# KiCad board Rogelio Pineda part 5.x3-AMLDC-2044B.kicad_pcb (continued)
## Routing (per net, layer and track width the routed paths; a pad name or vN(x,y) marks a point on that pad's centre or on a via; arc(x,y) is an arc through that point) (continued)
K2p11: length 131.9
  Top w0.15: UK2.11 197.03,259.25 197.17,258.57 197.48,256.56 197.48,247.47 197.51,247.43 v1(197.52,247.4) 196.83,246.06 195.97,243.26 195.53,239.47 195.56,235.3 194.78,232.81 194.46,232.01 193.56,230.36 UL2.12
  Bottom w0.15: 292.82,253.5 291.97,253.28 290.22,252.81 289.41,252.58 288.24,252.18 286.17,252.28 285.29,252.35 284.44,252.52 283.33,252.97 282.41,253.12 280.03,254.02 278.36,254.58 276.75,255.18 274.87,255.82 272.85,256.32 270.98,256.89 268.74,257.41 267.13,257.6 266.2,257.5 264.56,257.27 262.97,256.85 260.87,255.99 256.43,254.01 255.12,253.35 253.87,252.78 252.71,252.18 250.92,251.45 249.15,250.72 247.61,250.33 246.99,250.28 244.09,250.12 233.21,250.22 230.18,250.14 222.1,249.97 220.39,249.89 217.84,249.39 216.75,249.1 215.21,248.73 214.22,248.74 213.33,248.76 209.39,248.81 209.19,248.81 205.52,248.66 204.61,248.58 202.75,248.35 202.16,248.24 200.47,248.03 199.13,247.71 v1(197.52,247.4)
K5p1: length 19.8
  Top w0.15: UL5.4 305.35,221.94 305.05,222.41 304.4,223.1 304.15,223.49 303.71,224.11 303.38,224.55 302.72,225.88 302.61,227.51 302.61,227.82 302.54,231.16 302.45,231.99 302.32,232.74 302.06,233.3 301.87,233.69 301.67,234.12 300.82,235.33 300.18,236.06 299.94,236.41 299.44,237 299.05,237.49 298.83,238 UK5.1
K5p3: length 19.9
  Top w0.15: UK5.3 303.87,237.59 304.33,237.03 304.88,236.5 305.97,235.36 306.36,235.01 307.2,234.25 307.59,233.86 308.28,233.18 308.99,232.16 309.3,231.6 309.55,230.93 309.79,230.09 309.99,229.09 310.08,226.94 310.08,226.16 310.13,225.1 310.15,224.27 310.55,222.85 310.77,222.01 UL5.6
K5p5: length 18.8
  Top w0.15: UK5.5 308.93,237.27 309.17,236.59 309.4,236.26 309.73,235.8 310.2,235.14 310.92,234.07 311.13,233.68 311.49,233.22 311.91,232.47 312.06,231.93 312.36,231.08 312.44,227.92 312.38,226.28 312.36,226.3 v1(312.36,226.25) 312.41,226.25 312.45,226.21 312.27,225.66 312.24,225.09 312.48,224.44 312.85,222.94 313.34,221.94 UL5.7
K5p13: length 27.2
  Top w0.15: UK5.13 301.48,245.12 301.92,244.01 302.26,242.44 302.32,241.76 302.27,238.77 302.52,236.28 303.35,234.86 303.9,233.8 304.82,231.69 305.14,226.13 305.35,225.02 305.53,224.37 306.14,223.79 307.2,222.9 307.84,222.37 308.25,221.86 UL5.5
K6p4: length 13.4
  Top w0.15: 347.03,240.85 v1(347.03,240.98) 347.03,241.55 347.2,242.3 347.51,243.53 348.16,245.09 348.74,247.01 349.09,248.27 349.56,249.85 349.76,250.18 350.02,251.35 350.43,252.47 UK6.4
K6p6: length 5.5
  Top w0.15: C49.2 354.49,249.74 354.84,250.51 355.15,251.19 355.47,252.56 355.39,253.26 UK6.6
K6p7: length 5.6
  Top w0.15: UK6.7 358.16,253.49 358.52,252.54 358.68,252.16 358.71,252.16 358.85,251.82 359.19,251.24 359.5,250.47 360.03,249.73 C49.1
K6p14: length 5.9
  Top w0.15: UK6.14 348.21,262.58 348.33,262.92 348.68,263.58 348.88,263.79 349.28,264.14 349.61,264.2 350.58,264.28 351.61,264.28 C50.1
K6p15: length 2.7
  Top w0.15: C50.2 345.67,263.86 UK6.15
K7p2: length 12.6
  Top w0.15: UK7.2 382.22,253.78 382.26,254.4 382.07,255.25 381.79,256.42 381.67,257.76 381.13,259.92 381.13,262.05 381.32,263.3 381.25,265.5 v1(381.06,265.69)
K7p9: length 33.1
  Top w0.15: UL7.8 393.93,235.63 393.65,239.89 393.45,242.9 393.28,244.6 393.34,247.2 393.37,248.68 393.49,250.43 393.54,256.58 393.34,258.35 393.25,259.13 392.79,260.04 UK7.9
K7p12: length 7.7
  Top w0.15: 390.77,256.86 390.76,256.88 v1(390.76,256.91) 390.72,256.91 390.43,257.21 389.84,257.54 389.35,257.61 388.87,257.94 387.88,258.19 387.08,258.74 386.27,259.13 384.76,260.29 UK7.12
K7p13: length 9.3
  Top w0.15: UK7.4 386.61,255.09 385.66,256.28 385.17,256.88 384.25,257.69 383.65,258.47 383.44,258.82 382.97,259.64 UK7.13
K8p1: length 54
  Top w0.15: UK8.1 416.31,252.14 416.49,251.14 416.55,250.26 416.83,247.81 417.02,246.5 417.29,245.07 417.74,242.46 418.12,241.21 418.48,239.87 418.73,238.74 419.08,237.53 419.89,234.27 420.4,231.82 420.82,230.55 421.16,228.58 421.75,226.71 422.3,224.58 422.83,222.9 423.23,221 423.4,220.11 423.55,219.38 424.47,216.25 424.56,215.47 424.75,214.8 424.71,214.81 424.96,213.99 425.33,212.99 425.2,212.5 UM8.12 425.82,210.72 426.35,209.7 427.04,209.17 427.51,208.96 428.42,208.52 429.07,208.41 430.2,208.32 431.48,208.86 432.28,209.96 UM8.9
K8p4: length 55.2
  Top w0.15: UK8.4 423.79,251.71 423.95,248.89 424.01,247.62 424.47,238.9 424.8,236.62 424.89,234.34 424.87,234.02 425.09,231.3 425.28,229.82 425.44,227.72 425.9,223.89 426.44,222.56 427.21,221 427.97,219.93 428.42,219.39 429.22,218.52 430.62,216.84 431.21,216.22 432.18,215.17 433.11,214.32 433.44,213.81 433.89,213.12 434.28,211.75 433.91,209.85 433.3,209 432.94,208.49 432.15,207.52 431.29,207.12 430.12,206.52 429.48,206.18 428.8,205.44 UM8.6
K8p13: length 5.3
  Top w0.15: UK8.13 418.45,259.75 418.3,259.17 418.11,258.28 417.96,257.85 417.51,256.64 417.23,256.12 417.23,256.12 v1(417.25,256.1) 417.23,256.08 417.23,255.94
L0p1: length 48.6
  Bottom w0.15: UL0.1 115.33,221.19 117.23,223.31 119.83,223.81 121.65,223.92 123.7,224.24 125.25,224.33 140.08,224.45 145,224.37 149.47,224.15 150.7,224.09 153.09,224.08 155.41,223.96 156.72,223.35 157.07,223.01 158.16,222.02 UL1.5 UL1.6
L0p3: length 171.3
  Top w0.15: v1(82.48,100.17) 83.06,100.17 83.69,99.95 84.34,99.77 85.72,99.31 86.54,99.09 86.35,99.08 87.69,98.96 89.08,99.4 89.78,99.94 90.72,100.97 90.35,104.21 90.24,104.82 90.03,106.48 89.94,107.61 89.8,109.93 89.96,112.04 90.22,115.21 90.41,117.73 90.56,119.31 90.36,120.55 89.74,121.29 88.93,121.56 v1(88.93,121.58)
  Top w0.25: UL0.3 119.13,215.9 119.18,209.54 119.89,207.66 120.24,205.97 120.3,205.9 UM0.3 119.34,202.42 115.89,200.43 113.8,198.18 UN0.13 113.75,193.68 114.38,191.29 114.25,189.12 114.25,184.12 114.41,181.89 114.28,180.25 114.36,165.92 114.36,164.44 114.91,163.64 UP0.3 114.44,158.03 114.52,148.87 114.57,147.22 UR0.3
  Bottom w0.15: UP0.3 116.48,164.06 117.12,165.08 118.24,166.1 119.53,166.51 120.72,166.68 122.93,166.54 123.7,166.54 126.66,166.01 127.32,165.92 128.66,165.66 130.96,165.57 133.45,165.36 133.88,165.3 JP8.1 ; v1(88.93,121.58) 90.01,122.3 92.33,126.14 94.39,128.87 95.35,130.09 97.37,132.11 97.64,132.36 98.48,133.12 102.07,136.82 102.55,137.32 103,137.65 106.87,141.36 108.42,142.12 109.71,142.24 112.16,142.23 113.5,142.38 114.32,142.5 114.86,142.78 115.33,143.22 UR0.3
L0p4: length 30.4
  Bottom w0.15: UL1.2 150.77,221.67 150.53,222.02 149.57,222.75 148.91,222.98 147.58,223.05 144.49,223.17 140.05,223.12 133.38,223.18 130.04,223.27 127.82,223.28 125.18,223.16 124.06,222.7 123.38,222.14 UL0.4
L0p6: length 147.5
  Top w0.15: v1(82.61,103.62) 82.84,103.39 84.59,103.48 85.06,103.58 85.34,103.77 85.29,103.72 86.07,103.89 87.14,104.6 87.51,105.02 87.51,105.09 87.9,105.56 88.21,106.17 88.32,106.85 88.56,107.47 88.76,108.86 88.81,113.17 88.88,114.36 88.74,116.86 88.82,118.22 88.96,118.91 v1(88.93,119.3)
  Top w0.25: UL0.6 127.71,218.98 126.74,215.31 126.8,209.48 126.96,208.67 127.26,207.24 127.92,205.6 UM0.6 127.41,202.25 122.41,197.81 122.18,197.51 121.87,196.71 121.58,190.7 120.82,188.92 UN0.5 121.69,183.65 121.99,180.62 121.88,165.49 122.45,164.11 UP0.6 122.41,158.89 121.8,156.12 121.83,156.09 121.83,149.05 122.14,147.26 UR0.6
  Bottom w0.15: 122.58,143.1 121.95,142.5 120.71,141.95 118.04,141.3 113.98,141.24 110.68,141.24 109.15,140.95 108.44,140.67 107.61,140.19 106.64,139.08 105.52,136.14 103.16,131.13 102.17,129.15 100.16,125.38 97.05,122.04 95.07,120.75 92.04,119.63 v1(88.93,119.3) ; 122.64,143.14 123.05,143.61 UR0.6
L0p9: length 166.2
  Top w0.15: UJ3.11 237.25,276.9 237.75,275.65 237.9,273.86 237.89,272.87 237.96,268.64 237.93,268.7 237.84,262.4 237.73,259.8 237.7,255.11 237.68,252.34 237.67,250.86 237.67,247.32 235.85,241.67 235.51,238.62 235.34,235.9 236.75,233.79 237.09,233.56 237.54,233.06 237.64,232.95 v1(237.74,232.95) 237.74,232.85 237.8,232.79
  Bottom w0.15: v1(237.74,232.95) 229.01,232.79 223.56,232.71 220.43,232.67 212.64,232.76 208.74,232.67 202.81,232.2 183.6,231.64 157.5,231.46 156.26,231.48 154.86,231.38 153.75,230.48 UL1.12 153.27,227.21 151.97,226.71 150.15,226.62 149.96,226.69 147.87,226.61 132.13,226.83 131.26,226.88 130,226.73 129.3,227.02 128.39,227.61 UL0.9 ; UJ3.9 241.43,278.1 240.55,278.58 240.08,278.1 UJ3.10 238.18,278.25 237.54,278.23 237.28,278.1 UJ3.11
L0p12: length 42.4
  Bottom w0.15: UL1.9 160.6,227.53 160.14,227.08 159.85,226.79 159.23,226.4 159.22,226.39 156.8,226.01 154.67,225.72 151.7,225.65 150.44,225.51 148.64,225.53 143.1,225.6 143.06,225.56 131.42,225.56 130.82,225.64 129.83,225.69 126.9,226.08 124.97,226.32 123.64,226.5 122.57,226.76 121.16,227.5 UL0.12
L0p13: length 427.8
  Top w0.15: UL3.2 231.71,223.3 231.57,226.61 231.71,228.24 UL3.13 ; 219.93,95.49 v1(219.89,95.52) 219.93,99.33 219.98,100.41 219.98,100.81 219.97,101.21 219.97,103.25 220.25,104.96 220.56,105.91 220.94,107.07 221.36,110.76 221.5,112.09 221.59,116.08 221.59,117.46 221.74,124.37 221.65,126.79 221.51,127.94 221.18,134.18 220.87,141.9 220.74,144.67 220.7,146.87 220.4,150 219.71,153.95 218.4,160.41 217.62,164.6 217.53,168.25 218.4,173.73 217.84,185.89 217.89,185.94 217.58,196.36 217.41,198.34 216.91,201.21 216.84,203.45 217,204.8 217.27,207.65 217.58,209.34 217.7,210.76 217.08,214.76 216.96,216.97 217.66,218.31 v1(218.79,220.08) ; 106.61,214.97 106.74,211.02 106.8,210 106.95,208.27 106.97,207.25 106.77,205.55 106.71,204.44 106.49,202.53 106.29,201.67 105.78,197.92 105.53,196.78 105.33,193.76 105.23,193.04 105.1,191.87 105.01,190.91 104.92,189.12 104.9,188.79 104.72,186.14 104.65,185.37 104.69,183.85 104.73,183.03 104.63,176.7 104.66,175.18 104.64,172.76 104.61,172 104.1,170.14 103.42,168 102.92,166.24 102.74,165.19 102.92,163.1 103.18,161.89 103.39,160.52 103.62,158.63 103.87,151.58 103.85,150.48 103.85,149.64 103.87,149.32 104.04,145.08 103.77,127.56 103.76,126.14 103.68,124.76 103.5,123.81 103.26,122.92 102.99,122.5 102.74,121.56 102.52,120.92 102.37,118.46 103,117.9 104.02,116.91 104.39,116.36 104.48,115.4 103.69,113.36 103.35,111.45 103.83,110.35 104.42,108.19 104.67,106.67 104.67,102.36 104.66,102.28 104.38,99.98 104.22,99.29 104.15,98.46 103.98,97.5 103.9,96.94 v1(103.81,96.26) ; v1(105.87,218.94) 106.32,217.33 106.62,214.67 ; UL3.5 239.07,226.42 239.05,226.45 239.07,226.47 UL3.10
  Top w0.25: UL0.10 UL0.5 ; UL0.13 117.87,225.87 117.95,225.79 117.87,225.71 UL0.2
  Bottom w0.15: 217.92,220.04 216.32,219.94 215.62,219.96 214.18,219.86 211.07,219.43 209.9,219.22 208.04,218.99 206.47,218.81 201.38,218.65 ; 217.64,220.04 218.28,220.02 v1(218.79,220.08) 222.26,219.62 224.03,219.21 228.09,218.77 228.96,218.75 231.86,218.75 231.86,218.75 UL3.2 ; 118.09,218.42 118.05,218.37 111.23,218.31 107.23,218.69 106.76,218.8 106.47,218.92 105.87,219.08 v1(105.87,218.94) ; 118.09,218.42 125.44,218.42 ; 118.09,218.42 117.95,218.55 UL0.2 ; UL3.5 239.23,220.72 239.23,219.59 237.61,218.75 235.82,218.58 233.86,218.65 232.99,218.67 232.09,218.69 231.39,218.75 ; UL2.6 201.49,219.53 201.49,218.65 201.38,218.65 ; 201.38,218.65 197.01,218.45 194.53,218.4 189.85,218.62 187.85,218.68 183.8,218.89 181.01,218.83 177.31,218.65 176.75,218.6 175.96,218.56 174.39,218.36 173.54,218.28 170.63,217.93 168.8,217.69 165.82,217.55 163.13,217.41 153.66,217.31 151.05,217.31 148.8,217.45 146.98,217.84 142.29,218.63 139.73,218.75 137.46,218.7 136.57,218.64 125.44,218.42 ; 125.44,218.42 125.66,218.42 125.84,218.59 125.84,220.52 UL0.5
L1p8: length 268.1
  Top w0.15: v1(172.28,228.78) 172.95,226.54 172.94,199.48 ; 172.94,199.58 172.95,198.97 172.82,196.33 172.8,193.36 172.52,189.79 172.19,187.96 171.89,186.76 171.4,184.4 170.63,180.28 170.59,177.62 170.29,169.96 170.29,168.64 170.31,166.77 171.1,164.19 v1(171.1,163.87) 171.2,162.36 171.55,160.37 171.93,157.97 172.64,155.58 172.76,145.64 172.74,145.62 172.87,139.16 172.97,138.21 172.97,126.63 172.97,126.3 172.8,125.79 171.82,123.13 171.35,122.08 170.88,121.03 170.79,119.75 170.82,118.13 170.94,117.25 171.09,116.48 171.4,114.9 171.4,114.68 171.14,111.44 170.78,108.31 170.48,106.97 170.27,105.3 170.12,103.97 170.05,103.12 169.86,101.91 169.75,100.12 v1(169.65,97.66)
  Bottom w0.15: v1(171.1,163.87) 172.26,164.05 173.13,164.07 173.22,164.1 175.98,164.19 178.53,166.1 179.28,166.69 179.87,167.07 181.09,167.73 182.9,167.88 185.44,166.31 196.32,166.31 199,165.57 199.99,165.28 202.54,164.92 206.2,164.92 206.22,164.93 208.47,165.32 211.93,165.37 214.08,165.5 216.01,166.24 218.37,166.7 220.04,167.2 222.08,168.44 222.47,169.06 226.58,173.13 228.97,173.92 237.01,174.25 256.5,174.66 271.75,175.68 276.66,175.86 276.69,175.82 278.61,175.88 284.46,176.45 287.77,176.77 288.33,176.84 290.39,176.96 292.46,177.2 292.83,177.23 ; v1(172.28,228.78) 171.4,229.15 170.32,229.15 163.92,229.09 163.43,228.6 UL1.8
L2p2: length 160.2
  Top w0.15: v1(183.59,179.32) 184.14,201.68 183.62,217.01 183.6,218.16 v1(183.39,221.22)
  Bottom w0.15: UL2.2 UL2.1 188.18,220.86 187.67,221.37 185.41,221.25 184.24,221.27 183.45,221.22 v1(183.39,221.22) ; v1(183.59,179.32) 184.26,179.32 184.48,179.38 185.11,179.47 187.23,179.85 189.43,180.14 192.66,180.22 193.02,180.26 196.54,180.34 197.99,180.34 198.4,180.31 201.94,180.35 204.64,180.43 207.77,180.52 209.31,180.28 211.49,179.27 212.41,178.99 214.42,178 216.81,176.82 221.25,175.7 224.44,175.51 231.3,175.47 237.3,175.72 247.45,176.09 254.12,176.37 265.97,176.83 275.72,177.19 279.6,177.48 284.1,177.75 291.05,178.71 292.25,178.94 292.86,178.96
L2p8: length 217.8
  Top w0.15: 214.28,52.11 214.28,69.39 214.38,82.29 214.27,97.84 214.23,102.25 v1(214.17,102.57) 213.84,103.34 214.96,110.88 215.19,114.81 215.16,116.27 214.91,123.07 214.83,125.08 214.72,125.98 214.66,126.37 214.16,143.27 213.84,155.46 213.91,157.93 213.98,160.53 214.03,161.98 213.62,165.83 213.3,167.96 213.3,174.03 213.26,174.07 213.3,174.11 213.3,183.83 213.44,186.39 213.6,189.22 213.69,190.73 213.8,193.96 213.91,198.61 v1(213.68,228.74) ; 214.28,52.11 214.04,51.87 214.04,49.15 v1(213.92,47.82) 214.04,47.91 ; 214.28,52.11 214.08,51.92 ; UN2.4 196.37,190.1 196.2,190.27 196.2,195.23 UN2.13
  Bottom w0.15: UN2.13 196.86,194.29 198.47,193.61 199.49,193.53 200.28,193.48 200.73,193.54 203.15,193.5 206.04,193.53 207.78,193.55 208.75,193.7 210.82,193.91 211.43,194.01 212.51,194.17 v1(213.68,194.34) ; 213.07,228.65 213.33,228.65 v1(213.68,228.74) ; 213.11,228.65 205,228.65 UL2.8
L3p1: length 52.5
  Bottom w0.15: UL4.6 273.2,229.08 272.44,229.11 271.73,228.39 UL4.5 271.59,230.16 271.13,230.84 270.56,231.48 269.52,231.83 267.76,231.92 266.61,231.93 264.35,232.04 262.41,232.03 257.54,232.07 256.08,231.98 255.07,231.52 254.27,231.07 253.34,230.27 251.67,227.94 251.41,227.61 249.97,225.79 248.64,224.83 247.53,224.5 243.64,224.37 237.57,224.15 236.8,224.14 233.36,223.95 232.15,223.61 230.81,223.07 230.03,222.43 UL3.1
L3p4: length 64.2
  Bottom w0.15: UL3.4 236.94,221.88 237.58,222.57 238.54,223.18 240.46,223.21 244.7,223.27 245.78,223.27 247.49,223.4 248.73,223.84 250.02,224.49 251.38,225.67 252.44,226.97 253.29,228.48 254.25,229.52 255.16,230.35 256.46,230.88 258.8,231.03 260.43,230.96 261.88,230.98 263.4,230.42 263.78,229.89 263.91,229.75 UL4.2 264.72,227.22 265.49,226.64 266.85,225.89 269.23,225.56 272.21,225.4 277.69,224.2 279.92,223.57 281.87,222.94 283.98,222.38 285.92,221.82 286.91,221.56 288.16,221.21 290.05,220.67 290.79,220.43 291.68,220.16 292.89,219.72
L3p8: length 310.9
  Top w0.15: v1(85.72,124.32) 86.1,123.46 86.32,122.36 87.21,119.97 87.38,119.07 87.66,116.54 87.76,115.97 87.69,115.53 87.74,114.44 87.72,113.42 87.62,111.55 87.22,110.19 86.96,109.17 86.09,108.06 84.95,107.46 84.69,107.28 83.78,107.08 v1(82.41,107.01) ; UR3.8 243.89,153.96 243.13,156.87 243.06,157.88 242.93,158.38 242.85,161 242.67,166.65 243.24,168.39 UP3.8 243.58,173.37 243.34,175.29 243,178.48 242.98,180.31 242.92,182.1 242.82,182.82 242.81,186.36 242.74,187.23 242.76,191.94 242.01,194.21 UN3.9 241.56,196.66 241.76,197.19 242.01,197.93 242.67,201.23 242.76,203.97 242.77,205.56 242.73,206.79 242.76,207.59 242.71,208.01 243.27,209.93 UM3.8 244.06,212.71 243.31,213.55 243.04,215.25 242.73,216.23 242.8,217.89 242.83,219.14 242.88,219.19 242.83,224.9 243.43,226.83 UL3.8
  Bottom w0.15: UN3.9 241.26,194.41 240.51,193.74 240.16,193.58 239.57,193.3 237.19,192.72 236.21,192.49 233.85,192.01 232.07,191.75 227.84,191.13 225.89,190.8 223.31,189.73 221.14,188.55 219.24,187.42 217.69,186.33 216.34,185.37 215.68,185.02 212.29,183.31 204.18,183.02 187.57,182.75 184.03,182.68 182.65,182.56 180.73,182.28 178.51,181.99 177.77,181.81 174.43,181.18 172.53,180.91 168.09,180.32 166.37,180.11 163.49,179.92 162.07,179.85 159.28,179.98 158.5,180.06 157.56,180.16 153.95,180.46 153.24,180.55 152.09,180.67 149.49,180.81 148.05,181.01 142.48,181.47 140.93,181.62 131.28,182 127.67,182.28 118.1,182.65 117.35,182.65 116.18,182.65 112.64,182.47 111.56,182.28 106.26,181.71 104.86,181.49 99.96,181 96.14,180.83 92.32,180.49 90.94,179.98 89.54,179.25 88.57,178.04 87.2,174.2 87.4,160.75 87.42,153.34 87.53,147.26 87.52,141.53 87.3,136.15 87.25,135.47 87.38,133.86 87.38,130.04 85.8,127.21 85.79,125.94 v1(85.72,124.32)
L3p9: length 67.4
  Top w0.15: 266.42,240.93 266.45,240.89 266.45,240.86 v1(266.42,240.83) 266.45,240.79 UL4.12
  Bottom w0.15: 244.27,226.65 244.77,226.6 245.2,226.66 245.62,226.75 246.42,226.87 248.06,227.83 249.94,229.59 250.63,230.4 251.23,231.1 252.88,232.65 254.57,233.76 256.56,234.35 261.5,234.34 262.25,234.35 264.42,234.37 265.21,234.4 265.73,234.64 265.84,234.76 266.18,235.03 UL4.12 ; v1(266.42,240.83) 266.78,240.83 267.04,240.87 267.54,240.87 270.71,240.86 272.74,240.75 273.58,240.74 275.3,240.75 277.62,239.9 279.34,238.11 280.58,236.59 282.23,234.79 283.43,233.44 287.53,229.17 289.15,227.48 290.4,226.35 291.23,225.43 292.2,224.72 292.88,224.33 ; 244.31,226.64 243.8,226.73 242.53,227.45 UL3.9
L3p11: length 338.1
  Top w0.15: UR3.11 236.54,153.56 236.34,154.04 235.99,155.3 235.7,156.72 235.41,158.65 235.31,159.84 235.26,166.61 235.9,168.96 UP3.11 236.33,171.69 236.16,172.02 235.73,176.53 235.6,177.34 235.51,180.11 235.45,180.99 235.34,186.01 235.25,191.05 235.39,192.71 UN3.11 236.48,196.75 236.15,197.17 235.69,199.27 235.26,200.98 235.3,206.8 235.34,207.45 235.34,208.83 235.97,210.72 UM3.11 236.22,212.14 236.22,213.13 235.38,214.7 235.24,216.37 235.27,218.13 235.28,225.41 235.6,226.92 235.9,227.77 UL3.11 ; 83.67,72.46 83.5,72.29 v1(83.15,72.27) 83.13,72.29 ; 83.67,72.46 84.72,72.78 85.05,73.04 86.67,73.9 86.96,74.07 87.31,74.29 87.69,74.49 88.59,75.1 89.17,75.39 90.05,75.98 90.69,76.42 92.15,77.58 94.5,79.98 95,80.63 95.9,81.64 96.91,83.14 97.91,84.45 98.4,85.34 99.49,86.91 100.16,88.11 101.02,89.82 101.45,90.97 101.52,91.04 101.76,92.02 101.74,92.27 101.85,92.97 101.44,95.11 101.36,95.61 101.2,96.4 101.45,98.14 101.69,98.89 101.88,100.28 102.04,100.83 102.16,101.38 102.28,101.96 102.3,102.58 102.41,103.22 102.51,105.04 102.5,105.71 102.47,106.39 102.31,107.52 102.08,108.51 101.82,109.59 101.45,110.44 101.18,111.76 100.82,112.7 100.46,113.89 100.07,114.92 99.49,117 99.42,118.12 99.35,119.42 99.43,120.14 99.4,120.67 99.63,121.64 99.63,122.23 99.89,123.27 100.19,125.09 100.43,126.22 100.48,126.94 ; 83.67,72.46 83.54,72.33 ; 100.48,126.94 100.49,127.58 100.74,146.02 100.66,146.1 100.6,154.79 100.54,155.61 100.33,158.39 100.29,159.3 100.11,161.06 99.99,162.37 99.89,163.16 99.88,163.44 99.76,164.53 99.81,165.34 100.08,167.96 100.9,171.56 101.07,173.3 101.17,174.45 101.23,176.2 101.13,179.23 100.75,182.02 v1(100.52,183.22) ; 100.48,126.94 100.47,126.76
  Bottom w0.15: v1(100.52,183.22) 100.76,183.22 101.93,184 105.94,184.24 106.48,184.28 108.85,184.25 109.22,184.23 115.61,184.06 117.58,183.98 121.54,183.89 123.41,183.78 127.37,183.63 127.79,183.62 132.04,183.27 134.44,183.18 139.74,182.79 141.19,182.76 143.52,182.59 147.79,182.26 149.54,182 157.23,181.49 159.24,181.3 164.74,181.18 165.82,181.3 168.16,181.6 169.68,181.88 172.4,182.22 173.88,182.44 176.45,182.79 180.95,183.37 185.13,183.99 187.63,184.06 191.95,184.04 193.02,184.04 197.48,184.04 200.59,184.13 201.66,184.23 202.07,184.2 202.83,184.23 203.59,184.24 204.31,184.18 204.84,184.2 206.39,184.3 207.73,184.29 208.44,184.42 210.21,184.55 211.42,184.82 212.66,184.98 213.36,185.16 215.27,186.23 215.74,186.48 216.6,187.03 218.46,188.34 220.13,189.31 222.95,191.08 225.49,191.87 227.05,192.03 230.11,192.39 234.15,193.43 235.47,194.14 UN3.11
L3p12: length 45.3
  Bottom w0.15: UL4.9 273.34,235.04 272.54,234.25 271.02,233.24 267.62,233.17 261.73,233.17 257.62,233.23 255.15,232.88 253.03,231.17 249.54,227.56 248.41,226.46 247.36,225.86 246.2,225.46 244.61,225.36 242.94,225.39 239.85,225.25 238.45,225.26 237.2,225.69 236.5,225.96 235.96,226.29 234.66,227.21 UL3.12
L4p3: length 84.6
  Top w0.15: 264.12,170.57 264.04,173.1 263.9,173.33 263.67,175.97 263.24,178.1 263.13,180.46 263.2,181.85 263.32,182.44 263.56,183.77 263.76,184.63 263.9,187.53 UN4.2 263.83,188.46 264.92,190.21 265.1,191.92 265.15,192.66 265.19,193.48 265.23,198 265.18,198.48 265.21,199.01 265.37,200.66 266.06,202.57 UM4.3 266.69,204.84 266.53,205.75 267.56,209 267.57,213.2 267.74,213.37 267.69,214.4 267.63,214.66 267.63,217.62 267.75,218.3 268.11,221.33 267.49,223.91 267.08,225.29 266.6,227.48 UL4.3
  Bottom w0.15: UN4.2 263.41,186.47 262.71,185.98 261.71,185.67 260.74,185.55 259.04,185.75 257.33,186.07 255.04,187.25 251.65,188.67 249.03,189.52 247.17,189.91 246.35,190.09 244.51,190.05 243.94,190.17 242.82,189.66 241.84,188.8 UN3.6
L4p4: length 123.2
  Top w0.15: UL4.4 269.37,226.06 269.52,225.61 269.82,222.97 270.02,221.92 270.15,216.01 270.17,215.99 270.17,213.24 270.19,213.22 270.19,212.81 ; UN4.7 276.03,188.83 275.71,190.01 274.05,191.69 274.05,191.9 273.78,191.62 273.43,191.62 272.92,190.85 272.74,189.6 272.79,189.3 272.7,189.17 272.62,187.8 272.72,184.9 272.7,184.88 273.02,182.69 273.5,179.79 274.1,177.88 274.53,175.52 274.7,174.72 275,173.03 275.13,172.38 275.13,170.77 275.06,170.71 275.19,170.02 275.21,166.87 274.81,165.53 274.61,164.83 274.25,163.84 274.18,162.55 UP4.6 ; 270.19,213.14 270.1,212.56 270.17,209.87 269.52,206.63 269.22,205.32 UM4.4 269.44,203.17 269.82,202.77 271.33,200.83 271.91,199.87 272.47,198.64 272.64,195.92 272.57,195.64 272.68,194.28 273.28,192.95 273.37,192.59 273.93,191.77
  Bottom w0.15: UN4.7 276.17,189.25 274.8,190.63 273.62,191.1 273.14,191.2 269.88,191.31 268.68,191.47 267.28,191.83 265.84,192.2 264.78,192.26 256.53,192.33 254.74,192.98 253.62,193.48 251.08,195.23 249.1,196.76 246.34,198.87 245.07,199.12 244.13,199.27 240.83,199.16 239.44,198.83 238.04,198.58 236.96,198.31 236,198.05 233.94,195.86 UN3.12
L4p8: length 167.7
  Top w0.15: v1(255.14,238.85) 254.87,238.58 254.87,229.31 254.77,227.07 254.87,222.61 255.21,220.39 255.47,213.04 255.51,211.2 256.04,184.83 256.04,181.96 255.93,178.26 256.16,167.61 256.12,165.66 256.13,163.83 255.95,161.47 255.52,159.53 255.13,158.42 254.81,156.52 255.3,154.41 255.63,150.55 255.67,144.78 255.72,117.41 255.64,102.09 255.52,99.64 255.62,99.54 255.62,96.21 v1(255.46,96.04) 255.62,95.88 255.62,95.65
  Bottom w0.15: v1(255.14,238.85) 255.85,239.19 257.77,239.15 258.78,239.11 260.6,239.1 261.73,239.09 274.73,239.46 275.44,239.04 276.45,237.68 276.61,237.33 UL4.8
L4p10: length 115.8
  Top w0.15: 274.44,183.38 274.01,186.23 UN4.6 ; UL4.10 272.22,234.28 272.36,233.68 272.7,232.64 272.7,224.92 272.52,222.12 272.42,219.16 272.18,217.35 272.13,215.78 271.74,213.75 UM4.10 272.06,211.04 272.82,210.39 274.02,209.16 275.07,207.14 275.12,201.62 275.12,195.23 275.09,195.2 275.16,193.13 275.68,192.19 277.36,190.89 277.8,189.72 277.74,186.98 277.68,185.92 277.68,185.81 276.95,184.66 275.41,184.1 274.55,183.65 274.48,183.33 274.69,182.1 275.09,178.33 275.52,175.95 275.86,173.44 276.03,172.84 276.15,172.03 276.42,171.45 UP4.10
  Bottom w0.15: UN3.10 239.72,197.24 240.44,197.72 240.99,197.99 242.02,198.26 242.92,198.2 244.19,198.2 245.68,197.99 247.31,196.82 250.6,194.15 251.02,193.86 252.68,192.56 255.88,191.32 258.75,191.18 262.28,191.15 263.41,191.22 266.25,191.11 268.28,190.44 270.86,190.23 272.5,190.13 273.75,189.26 UN4.6
L4p11: length 101.9
  Top w0.15: UL4.11 268.84,234.75 268.38,233.76 267.96,232.05 267.85,231.01 267.85,230.32 267.91,226.02 268.35,224.54 268.87,222.51 269.06,221.55 269.15,220.12 269.12,220.09 269.26,218.8 269.34,218 269.26,217.47 269.1,214.41 268.69,213.04 UM4.11 268.91,211.03 268.82,209.9 268.37,208.44 268.07,207.25 267.89,206.64 267.72,206.15 267.68,205.83 267.47,203.59 267.72,201.49 267.75,199.57 267.75,194.19 267.72,193.62 267.51,191.9 267.22,190.76 267.12,190.11 266.66,188.99 UN4.3
  Bottom w0.15: UM4.11 270.08,214.14 271.35,214.57 279.43,214.46 280.3,214.46 282.4,214.14 285.8,211.88 ; UN4.3 266.26,189.19 265.49,189.96 260.62,190.1 259.57,190.08 258.79,190.08 256.64,190.08 255.65,190.08 252.17,190.94 250.87,191.67 249.81,192.12 246.37,194.28 245.64,194.65 244.96,194.95 UN3.8 ; 285.69,211.96 287.09,210.99 290.15,208.95 292.36,208.44 292.94,208.35
L6p12: length 37.2
  Top w0.15: UL6.2 345.91,221.64 346.47,223.27 346.75,223.91 346.99,224.87 347.17,225.29 347.44,226.04 347.82,226.85 347.84,227.93 UL6.12 348.06,229.41 348.23,230.07 348.25,230.76 348.43,231.57 348.48,232.51 348.62,233.82 348.65,234.13 348.69,234.59 348.84,235.57 348.97,236.46 349.08,237.3 349.19,237.66 349.3,238.24 349.33,239.19 349.44,240.27 349.35,240.99 349.52,241.16 ; 349.52,241.16 349.57,241.21 v1(349.52,241.21) 349.52,241.16 ; 354.5,224.46 353.99,224.64 348.37,224.82 347.91,224.78 346.95,224.73 ; 354.5,224.46 354.35,224.06 354.16,223.49 353.84,222.84 353.61,222.04 353.41,221.83 353.26,221.36 UL6.5 ; 354.5,224.46 354.7,225.03 354.91,225.65 354.96,225.97 355.09,226.36 355.36,227 355.45,227.33 UL6.9
L7p1: length 17.9
  Top w0.15: UL7.1 379.73,219.07 379.99,218.12 380.49,216.67 381.02,215.63 381.47,214.37 382.1,213.15 382.38,211.98 UM7.13 381.9,210.43 380.91,207.59 380.56,206.51 380.34,205.92 380.34,205.83 380.11,205.29 UM7.1
L7p6: length 26.6
  Top w0.15: UL7.6 391.95,218.97 391.53,218.19 391.51,217.6 391.3,216.67 390.75,215.29 390.69,214.58 390.69,207.87 390.59,207.33 390.77,203.66 390.57,203.43 390.29,202.37 389.84,201.38 389.59,200.64 389.25,200.02 388.72,199.09 387.94,197.79 387.62,197.06 387.13,196 386.95,195
L7p10: length 16.8
  Top w0.15: 389.63,244.83 389.61,244.81 389.61,244.7 v1(389.66,244.65) 389.61,244.6 389.61,229.58 389.54,229.51 UL7.10
L7p11: length 14.6
  Top w0.15: UL7.11 387,229.56 387.23,229.79 387.23,242.4 v1(387.18,242.46) 387.23,242.51 387.23,242.54
L7p12: length 25.2
  Top w0.15: UL7.12 384.75,229.29 384.72,229.95 UK7.3
L7p13: length 11.3
  Top w0.15: UL7.13 382.24,229.79 382.72,231.37 382.72,231.9 382.85,233.48 383.03,234.78 382.95,236.1 v1(383.01,239.16) 383.11,239.18
M0p1: length 48.4
  Bottom w0.15: UM1.6 UM1.5 157.44,205.88 156.13,206.99 155.51,207.22 153.65,207.63 152.81,207.68 151.76,207.76 148.71,207.91 121.68,207.6 119.39,207.07 116.95,206.38 115.22,205.19 UM0.1
M0p4: length 30.1
  Bottom w0.15: UM1.2 150.46,205.62 150.18,205.9 148.67,206.65 139.36,206.47 125.39,206.51 124.61,206.24 124.01,205.97 123.59,205.38 UM0.4
M0p9: length 173.3
  Top w0.15: v1(143.65,211.99) 143.55,211.72 143.7,210.83 144.06,208.57 143.91,198.8 143.89,194.38 143.99,192.54 143.96,189.95 143.94,186.1 143.84,180.58 143.86,174.9 143.78,166.11 143.63,161.2 143.55,160.47 143.35,159.51 142.97,158.13 142.32,156.54 142,155.74 141.57,154.96 140.74,152.5 140.58,143.57 140.64,142.15 140.47,131.89 140.64,127.44 140.61,126.53 140.63,125.99 140.69,124.7 140.58,120.88 141.19,117.19 141.22,115.6 141.17,115.1 141.12,113.94 140.87,111.35 140.87,93.96 140.92,93.83 141.6,91.87 142.33,90.46 142.27,72.89 142.28,71.13 142.62,69.32 v1(143.17,68.22)
  Bottom w0.15: UM0.9 128.57,210.68 129.5,210.2 130.15,210.06 130.53,210.05 131.68,210.01 134.65,210.09 137.12,210.45 138.36,210.7 139.41,210.96 140.91,211.45 141.71,211.72 142.63,211.99 v1(143.65,211.99) 144.54,211.33 147.05,210.22 149.42,210.08 150.19,210.1 151.49,210.13 152.63,210.31 153.38,211.07 UM1.12
M0p12: length 43
  Bottom w0.15: UM1.9 160.89,211.18 160.34,210.68 159.01,209.76 157.9,209.32 156.36,209.24 154.41,209.14 148.18,209.05 145.69,209.07 137.24,209.02 134.93,209 125.14,208.99 122.89,209.67 121.63,210.45 UM0.12
M0p13: length 175.3
  Top w0.15: 107.05,200.13 107.5,202.85 107.66,203.63 107.66,204.3 108.15,207.24 108.21,207.83 108.55,208.78 108.7,209.48 v1(108.99,211.45) ; v1(105.09,73.44) 105.1,75.66 105.16,77.37 105.24,78.61 105.51,85.73 105.47,88.17 105.61,95.95 105.68,102.21 105.58,112.01 105.24,112.34 v1(105.24,112.81) 105.77,115.28 105.75,126.27 105.88,130.87 105.94,146.91 105.94,150.65 105.96,150.67 105.96,153.27 106.01,153.32 106.01,158.1 105.99,158.11 105.99,161.69 105.96,161.73 105.92,164.44 105.88,165.13 105.88,167.29 105.88,167.94 105.84,183.9 105.81,184.83 105.94,187.01 105.97,187.93 106.24,192.81 106.4,193.72 106.37,194.96 106.48,195.7 106.64,196.97 106.87,197.97 106.93,199.51 107.08,200.27
  Top w0.25: UM0.2 118.01,206.45 117.95,210.36 UM0.13 ; UM0.10 UM0.5
  Bottom w0.15: v1(108.99,211.45) 109.7,211.16 109.98,211.12 111.07,210.8 111.75,210.5 113.09,210.18 113.81,210.1 114.17,210.08 116.73,210.1 117.76,210.87 UM0.13 118.07,213.14 118.61,213.65 119.19,214.2 120.06,214.59 120.96,214.73 121.81,214.9 122.88,214.88 123.92,214.68 124.84,213.79 125.38,213.04 UM0.10
M2p2: length 179.6
  Top w0.15: 223.62,157.79 223.77,156.46 223.62,155.2 v1(223.62,153.84) ; UM2.2 191.76,202.84 192.34,202.43 193.14,202.05 195.12,201.77 195.85,201.84 197.15,201.83 200.13,201.99 200.78,201.98 201.62,201.66 v1(202.38,201.39) 202.48,201.29 ; v1(223.62,200.84) 223.89,200.19 223.92,199.43 223.79,171.76 223.77,166.71 v1(223.72,157.77) 223.93,157.97 ; US2.8 204.8,138.03 205.56,138.96 205.96,139.87 206.11,140 v1(206.49,141.14)
  Bottom w0.15: v1(206.49,141.14) 206.79,141.51 206.95,141.77 207.95,142.09 208.58,142.33 213.05,144 214.58,144.9 218.46,147.53 220.72,149.51 221,149.85 223.25,152.71 v1(223.62,153.84) ; 292.9,155.64 292,155.6 290.88,155.6 284.35,155.44 280.74,155.4 277.77,155.67 276.02,156.02 274.83,156.18 270.51,156.89 266.41,157.87 262.47,158.86 258.35,159.92 255.88,159.73 254.25,159.37 251.55,158.32 249.49,157.93 243.98,157.76 242.78,157.71 237.91,157.61 234.94,157.57 231.87,157.55 229.54,157.61 226.22,157.61 225.39,157.68 224.71,157.66 v1(223.72,157.77) ; v1(202.38,201.39) 203.67,201.31 205,201.24 207.69,201.09 208.67,201.02 209.43,200.99 211.09,200.78 211.69,200.71 218.32,200.47 219.33,200.52 221.23,200.52 222.46,200.58 223.22,200.56 v1(223.62,200.84)
M2p3: length 163.9
  Top w0.15: v1(179.68,54) 179.68,54.27 179.55,54.69 179.42,55.07 179.31,55.5 179.28,57.46 179.46,58.81 179.61,60.04 179.97,61.52 180.61,65.19 180.78,66.9 180.66,70.07 180.64,71.08 180.42,77.22 180.39,77.71 180.17,82.4 180.16,88.88 180.07,95.3 179.89,97.85 179.7,99.09 179.33,101.3 179.09,105.13 179.04,106.2 179.17,107.47 179.48,108.68 179.84,110.85 179.94,112.01 179.95,112.55 180.06,113.18 180.07,114.14 180.25,116.91 180.31,118.94 180.28,120.23 180.32,123.94 180.32,124.49 180.29,125.68 180.2,136.66 180.28,141.52 180.22,142.97 180.33,147.62 180.3,148.26 180.39,153.48 180.39,154.93 180.82,161.01 180.92,161.97 ; 180.91,161.88 180.6,173.8 180.35,175.1 180.22,186.7 180.39,187.85 180.73,192.31 180.86,194.1 181.11,195.83 181.35,197.62 181.5,199.15 181.75,200.05 182.01,201.88 182.14,202.52 v1(182.27,203.53)
  Bottom w0.15: UM2.3 193.97,203.82 193.97,203.04 193.18,202.21 193.03,202.06 191.99,201.81 188.94,201.81 188.02,201.87 187.23,202.05 184.84,202.53 184.18,202.71 183.1,203.08 182.63,203.29 v1(182.27,203.53)
M2p4: length 167.1
  Top w0.15: v1(181.02,205.96) 180.77,204.7 180.17,198.98 180.04,197.66 179.57,192.56 179.5,191.4 179.25,186.48 179.21,185.67 179.21,184.63 179.18,179.82 179.25,177.56 179.25,176.78 179.57,169.97 179.68,169.48 179.78,162.22 179.54,160.49 179.36,157.29 179.29,155.48 179.15,146.26 179.03,126.63 179.16,125.93 179.17,125.29 179.16,120.62 179.11,120.13 179.04,119.37 179.04,115.11 178.92,114.99 178.68,112.89 178.63,111.5 178.42,109.48 178.21,108.44 177.85,106.6 177.92,104.34 177.8,103.12 177.93,102.67 178.17,101.67 178.52,99.5 178.65,97.89 178.86,96.22 179.07,81.45 179.11,79.91 179.3,77.77 179.35,76.5 179.39,75.89 179.53,71.86 179.63,70.14 179.73,66.16 179.33,64.42 179.07,63.09 178.94,62.08 178.77,61.33 178.56,60.16 178.48,59.5 178.19,58.16 178.06,56.73 v1(177.8,56.11)
  Bottom w0.15: v1(181.02,205.96) 181.78,206.24 182.36,206.38 183.1,206.43 183.68,206.51 183.99,206.45 185.22,206.44 189.34,206.49 191.4,206.51 192.71,206.5 194.38,206.51 195.81,205.67 UM2.4
M2p5: length 166
  Top w0.15: v1(177.71,202.14) 177.44,199.98 177.53,199.21 177.32,196.5 177.3,194.01 177.09,187.02 177.06,184.78 176.96,177.98 176.93,176.66 176.92,171.78 177.21,168.99 177.66,165.93 177.65,164.4 177.47,163.02 177.22,159.92 176.98,156.93 176.95,154.5 176.85,120.96 176.9,119.45 176.73,117.36 176.72,117.35 176.72,115.33 176.58,114.68 176.39,112.7 176.31,112.2 176.26,111.19 175.86,108.84 175.69,107.47 175.72,106.6 175.52,105.41 175.66,104.09 175.7,103.5 175.73,102.61 176.46,99.02 176.42,84.74 176.7,78.16 176.93,75.78 177.25,74.39 177.35,70.4 177.25,68.75 176.73,66.4 176.31,65.1 176.07,64.03 175.69,62.95 174.68,59.96 v1(174.68,59.95)
  Bottom w0.15: v1(177.71,202.14) 178.43,201.89 178.8,201.77 179.1,201.7 179.71,201.49 180.33,201.26 180.73,201.08 181.57,200.85 182.11,200.76 184.14,200.71 184.71,200.71 185.36,200.71 189.54,200.68 189.93,200.67 192.77,200.65 194.37,200.76 196.64,201.3 198.64,202.86 UM2.5
M2p6: length 174.8
  Top w0.15: 178.52,68.63 178.5,68.64 ; 178.5,68.64 178.5,71.91 178.51,73.4 178.23,76.15 178.04,77.86 177.83,89.2 177.7,94.91 177.47,98.32 177.27,99.65 177.14,100.54 176.76,104.17 176.79,105.82 176.84,106.76 176.85,107.16 177.41,110.64 177.5,111.89 177.58,112.46 177.57,112.47 177.69,115.57 178.1,121.56 178.03,124.34 178.09,125.51 178.11,126.66 177.86,136.82 178.04,145.48 178.05,145.5 178.05,149.02 178.12,151.6 178.46,161.21 178.72,163.64 178.67,163.69 178.79,165.69 178.59,167.79 178.33,170.36 178.02,175.64 178.05,182.14 178.12,183.16 178.32,190.34 178.43,192.04 178.51,195.08 178.77,196.58 178.87,198.91 179.18,200.34 179.23,201.25 179.39,202.67 179.13,204.83 179.03,206.27 179.08,207.21 179.28,207.83 179.81,208.36 v1(179.81,208.49) ; 178.5,68.64 178.24,66.96 177.82,64.12 177.37,62.1 176.73,59.94 176.35,59.24 v1(176.09,58.04)
  Bottom w0.15: UM2.6 200.85,205.98 200.18,206.64 199.71,207.04 199.11,207.29 197.81,207.54 196.1,207.61 195.9,207.61 192.23,207.68 191.77,207.71 191.27,207.69 186.82,207.74 185.12,207.78 183.77,207.85 182.21,208.13 181.61,208.28 180.88,208.39 180.33,208.41 v1(179.81,208.49)
M2p9: length 87.9
  Bottom w0.15: UM2.9 208.78,210.71 211.57,209.35 214.85,208.67 216.7,208.3 219.04,207.82 222.03,207.89 227.35,207.86 228.17,207.81 231.61,207.89 232.68,207.97 234.92,208.11 239.39,208.62 240,208.74 244.74,208.83 247.47,208.78 254.11,208.87 258.19,208.84 258.02,208.8 258.58,208.84 262.36,208.84 262.89,208.77 266.08,208.39 268.17,208.14 269.35,207.86 270.7,207.53 272.92,206.99 274.42,206.85 278.9,206.82 292.02,206.95 292.89,206.9
M3p1: length 48.1
  Bottom w0.15: 230.32,206.15 230.39,206.23 230.4,206.23 ; 230.32,206.15 228.82,204.65 UM3.1 ; 230.32,206.15 231.46,206.83 233.66,207 236.37,207.16 237.73,207.52 242.5,207.84 245.27,207.78 252.53,207.71 254.53,207.76 260.95,207.8 262.66,207.68 266.84,207.11 268.8,206.89 269.82,206.72 270.68,206.32 271.22,205.51 UM4.5 UM4.6
M3p4: length 30.1
  Bottom w0.15: UM3.4 237.08,205.26 237.46,205.85 238.24,206.43 240,206.79 242.36,206.8 244.13,206.82 244.83,206.79 254.4,206.71 258.52,206.81 261.05,206.85 261.74,206.86 262.85,206.6 263.62,205.88 263.62,205.63 263.61,205.63 UM4.2
M3p9: length 25.7
  Bottom w0.15: UM4.12 265.8,211.07 265.04,210.68 265.03,210.67 263.75,210.59 262.55,210.57 260.1,210.64 258.47,210.65 254.41,210.76 253.8,210.8 251.84,210.87 248.14,210.72 244.06,210.63 243.55,210.7 242.81,211.04 241.77,211.92 UM3.9
M3p12: length 41.4
  Bottom w0.15: UM4.9 273.36,211.13 273.01,210.83 272.75,210.62 272.13,210.21 270.97,209.97 264.63,209.89 264.15,209.87 262.42,209.82 257.84,209.79 256.35,209.9 255.54,209.84 253.12,209.84 252.42,209.81 251.26,209.88 243.78,209.87 240.59,209.6 239.21,209.51 236.81,210.15 235.57,210.88 235.1,211.31 234.2,211.92 UM3.12
M3p13: length 170.2
  Top w0.15: 222.98,210.6 v1(222.95,210.65) 222.66,205.46 222.52,200.53 222.58,198.31 222.94,180.95 222.96,178.96 223.36,160.78 222.86,159.18 222.55,157.84 222.22,157.33 221.72,155.18 221.68,153.68 221.55,153.3 221.69,150.82 221.86,149.82 222.28,147.1 222.4,146.02 223.06,141.73 223.15,140.42 223.44,138.64 223.72,136.07 224.28,132.47 224.05,116.46 v1(224.05,113.84) 224.01,113.69 223.93,112 223.36,110.32 222.88,108.51 222.53,107.66 222.19,106.18 221.69,104.68 221.45,103.34 221.45,97.96 221.54,96.41 221.47,93.52 221.39,90.94 221.26,90.19 221.07,89.23 220.83,86 221,84.8 221.34,80.88 221.65,79.72 222.08,77.48 R82.2 ; UM3.2 231.49,209.52 231.44,210.55 231.49,210.9 UM3.13 ; UM3.5 238.98,210.3 239.04,210.36 238.98,210.42 UM3.10
  Bottom w0.15: UM3.2 232.88,202.58 235.25,202.36 238.02,203.06 238.37,203.22 UM3.5 ; UM3.13 231.21,210.59 230.48,210.19 227.73,210.14 226.54,210.28 226.02,210.24 224.39,210.51 223.43,210.65 v1(222.95,210.65)
M4p8: length 146.4
  Top w0.15: 281.56,71.61 281.56,71.66 v1(281.58,71.67) 281.56,71.69 281.56,76.47 281.36,81.67 281.37,83.38 281.42,84.87 281.36,90.43 281.32,92.7 281.47,100.06 281.67,102.69 281.75,107.56 281.97,109.86 281.94,111.88 282.11,113.36 282.22,114.06 282.54,118.9 282.81,119.67 283.22,121.71 283.57,123.42 284.01,125.59 283.87,128.61 283.97,133.93 283.81,180.96 283.44,203.27 283.21,204.08 283.04,205.03 282.85,205.64 282.39,207.83 282.12,208.57 281.61,211.37 v1(281.31,212.18)
  Bottom w0.15: UM4.8 276.4,211.92 276.98,212.51 277.04,212.45 280.77,212.45 v1(281.31,212.18)
M5p5: length 12.4
  Top w0.15: UM5.5 308.97,204.01 309.12,203.29 309.46,202.5 309.55,202.29 309.81,201.97 310.53,201.19 310.96,200.85 311.22,200.61 312.08,199.93 312.72,199.48 313.55,198.95 313.94,198.64 314.54,198.09 314.79,197.85 315.28,197.29 315.39,197.17 315.97,196.56 316.12,195.64 UN5.9
M6p8: length 23.3
  Top w0.15: UN6.13 345.66,196.32 346.49,197.8 347.52,198.1 347.77,198.18 348.83,198.33 349.83,198.54 350.51,198.8 351.13,199.2 351.29,199.65 351.45,200.15 351.68,200.96 351.86,202.36 351.95,206.2 352.45,207.1 352.71,207.47 353.35,208.2 353.92,208.61 354.95,209.01 356.46,210.11 356.95,210.52 UM6.8
M6p12: length 28.5
  Top w0.15: 343.6,238.57 343.64,238.54 v1(343.64,238.46) 343.71,238.46 343.86,237.92 344.29,236.03 344.48,235.22 344.64,234.66 344.66,233.66 344.63,232.96 344.63,230.29 344.44,230.1 344.44,229.15 344.44,229.14 344.44,225.15 344.52,222.64 344.55,222.7 344.22,222.41 344.55,218.69 344.6,218.07 344.87,217.54 345.19,216.86 345.46,216.49 346.02,215.65 346.54,214.93 346.97,214.41 347.69,213.23 347.89,212.79 UM6.12
M7p3: length 39.7
  Top w0.15: UM7.3 385.17,205.39 385.63,206.36 385.88,207.45 386.08,207.85 386.41,209.31 386.8,210.06 UM7.11 386.95,213.01 386.78,213.46 386.61,213.92 386.32,215.56 385.91,216.92 385.66,217.5 385.47,218.52 UL7.3 384.23,220.71 384.06,221.65 383.23,222.75 382.96,223.16 381.97,224.4 381.62,225.04 380.77,226.64 380.77,229.12 380.97,229.32 380.97,229.9 381.05,229.98 381.05,240.99 381.09,241.03 v1(381.19,241.03) 381.19,241.13 381.12,241.06
M7p6: length 9.3
  Top w0.15: UM7.6 392.03,202.9 391.82,202.47 391.52,201.89 390.82,199.74 390.39,198.39 390.05,197.56 389.77,196.87 389.49,196.11 UN7.10
M7p8: length 17
  Top w0.15: UM7.8 394,210.2 393.59,209.18 393.41,208.56 393.19,208.12 393.07,207.46 392.95,206.05 393.03,205.28 393.18,202.87 393.04,201.54 393.07,200.56 393.04,199.53 392.73,198.48 392.47,197.67 392.03,196.6 UN7.9
N0p2: length 198.8
  Top w0.25: 111.88,201.08 111.85,201.05 v1(111.72,201.05) 111.72,200.92 111.71,200.92 111.7,190.83 112.76,189.04 UN0.2
  Bottom w0.15: 292.98,201.75 292.21,202.1 290.97,202.5 289.9,202.51 289.06,202.43 287.07,201.54 285.42,201.05 283.97,200.64 281.54,200.05 280.07,199.69 267.51,199.76 257.94,199.17 251.96,199.11 247.38,199.94 243.79,200.36 241.13,200.33 239.02,200.15 236.45,199.75 234.21,199.34 229.92,198.58 228.2,198.33 224.51,197.69 222.13,197.23 214.71,197.41 213.71,197.55 210.8,197.7 207.12,198.2 184.95,198.09 183.7,197.87 177.91,196.95 175.32,195.94 173.37,194.95 171.16,193.81 168.5,192.65 166.13,192.11 161.71,192.18 160.23,192.38 156.98,192.8 155.01,193.12 148,193.52 144.2,193.71 139.97,194.19 137.27,195.26 135.07,196.34 131.54,198.03 129.33,199.19 126.65,200.57 124.19,201.06 123.31,201.25 121.16,201.3 115.44,201.04 112.48,200.8 v1(111.72,201.05)
N0p6: length 108.9
  Top w0.15: UN1.2 151.03,189.08 151.35,189.48 151.39,190.55 151.85,191.91 152.1,194.71 152.21,196.36 152.21,199.2 152.57,200.95 152.96,202.1 UM1.3 152.82,206.12 152.46,207.12 152.28,208.09 152.18,209.24 152.18,210.03 152.2,215.03 152.28,216.02 152.57,217.81 152.86,218.78 UL1.3
  Bottom w0.15: UN2.2 190.78,188.9 190.07,189.73 189.22,190.04 188.18,189.94 ; UN1.2 151.34,186.32 151.34,185.31 ; 151.34,185.31 149.06,185.44 144.57,185.62 140.17,186.36 135.25,187.87 132.52,188.76 127.25,190.34 125.35,190.14 123.98,189.41 UN0.6 ; 151.34,185.31 152.33,185.21 156.12,184.39 157.91,184.21 160.45,183.74 162.25,183.4 164.82,183.39 166.59,183.6 168.3,184.03 170.83,185.07 174.09,186.48 177.2,187.53 179.62,188.43 184.58,189.5 186.86,189.96 187.41,189.91 188.41,189.94
N0p8: length 117.3
  Top w0.15: 154.62,198.26 154.71,197.6 154.71,194.41 154.61,194.32 154.61,191.95 ; 154.61,198.19 154.69,200.85 154.61,201.42 154.83,203.89 154.74,203.99 154.74,205.95 154.54,206.3 154.51,206.37 154.51,208.67 155.05,210.14 UM1.11 155.33,214.12 154.94,215.09 154.76,217.56 154.69,217.63 154.69,222.62 154.58,222.73 154.69,223.26 154.76,225.45 155.58,227.42 UL1.11 ; 154.61,192.09 154.51,190.84 153.86,189.55 153.24,188.89 UN1.3
  Bottom w0.15: UN2.3 193.42,189.26 192.48,190.42 191.18,191 189.43,191.21 185.15,191.22 183.12,191.1 180.54,190.48 178.12,189.46 174.96,188.27 171.7,186.74 169.99,185.97 168.68,185.41 168.03,185.1 166.91,184.64 164.51,184.44 163.73,184.48 162.2,184.59 157.91,185.28 155.67,185.43 154.33,186.08 153.64,186.6 UN1.3 152.87,188.86 152.49,189.24 151.3,189.97 147.8,190.09 147.09,190.05 146.2,190.08 136.73,190.11 135.08,190.12 134.1,190.38 131.28,191.65 129.79,192.76 128.31,193.66 UN0.8
N0p10: length 141.9
  Top w0.15: 161.37,186.14 161.34,186.24 ; 161.34,186.24 161.15,186.72 UN1.6 ; 161.34,186.24 161.72,185.7 162.39,185.32 163.14,185.33 163.26,185.35 163.64,185.5 ; 159.59,223.01 159.08,225.99 158.69,227.12 UL1.10 ; 163.64,185.5 163.51,185.46 ; 163.64,185.5 164.14,185.75 164.81,186.69 164.61,190.67 164.64,191.51 164.58,197.34 163.74,199.12 162.73,200.35 162.18,202.42 162.12,206.44 162.02,206.53 161.96,207.63 161.21,208.48 159.69,210.45 UM1.10 158.69,213.3 159.2,214.89 159.59,216.67 159.72,218.19 159.57,223.17
  Bottom w0.15: UN2.6 201.07,189.19 200.39,190.16 199.17,191.1 197.54,191.53 196.41,191.79 195.28,191.97 193.6,192.13 192.83,192.23 191.73,192.31 184.21,192.3 183.78,192.32 182.98,192.31 179.05,191.89 177.26,191.44 175.48,190.52 174.06,189.71 172.01,188.51 167.92,185.92 164.76,185.32 163.69,185.43 162.78,185.56 162.06,185.79 161.28,186.44 UN1.6 160.89,188.7 159.92,189.54 158.92,190.27 158.35,190.35 155.37,190.63 154.65,190.73 153.89,190.97 152.18,191.08 139.54,191.19 137.99,191.18 135.66,191.27 133.47,192.21 132.7,192.65 127.08,197.76 126.05,198.18 124.72,198.28 122.29,198.09 121.12,197.39 UN0.10
N0p12: length 134.4
  Top w0.15: UN1.7 162.75,189.34 162.31,189.84 162.14,190.15 161.43,190.76 160.91,191.35 159.89,192.15 159.77,193.35 159.46,199.12 ; 159.39,199.17 158.76,200.51 158.49,201.14 157.61,202.31 157.09,203.03 UM1.4 156.78,207.42 157.22,209.04 157.31,210.01 157.24,210.6 157.11,213.52 157.11,215.13 157.15,215.17 157.15,217.34 156.82,218.72 156.47,219.64 155.81,220.46 UL1.4
  Bottom w0.15: 163.75,190.39 162.96,190.35 161.83,190.35 156.54,191.85 152.97,192.25 146.45,192.28 144.89,192.18 136.13,192.53 133.31,193.69 131.9,194.74 127.67,198.5 125.89,199.27 125.39,199.39 121.27,199.31 119.76,198.9 117.93,198.37 116.52,197.65 115.74,196.92 UN0.12 ; 163.75,190.39 164.89,190.43 165.2,190.35 166.82,190.51 168.2,190.55 170.32,190.92 172.86,191.52 176.94,192.55 178.99,193.17 182.12,193.41 183.3,193.36 191.85,193.37 198.55,192.53 201.17,191.92 202.09,191.19 203.08,190.18 203.65,189.15 UN2.7 ; 163.75,190.39 163.61,188.9 ; UN1.7 163.61,187.96 163.61,188.9 ; 163.61,188.9 163.59,188.89
N1p4: length 206.2
  Top w0.15: 142.37,195.57 142.37,195.5 v1(142.41,195.46) 142.51,185.84 142.56,184.85 142.52,184.31 142.49,160.79 142.01,159.06 141.29,157.12 140.49,155.67 140.26,154.54 139.8,153.08 139.62,141.47 139.56,140.51 139.45,134.12 139.56,134.01 139.56,115.7 v1(139.61,115.66) 139.56,115.61 139.56,114.9 139.65,112.22 139.78,93.41 140.12,92.4 140.53,91.56 141.07,90.62 140.96,72.79 140.93,70.46 140.87,68.98 140.89,68.08 140.91,67.49 140.85,67.09 140.95,65.91 140.83,65 140.57,64.1 140.17,62.82 139.66,61.59 139.26,60.56 139.24,60.56 139.14,59.75 138.95,59.04 139.01,58.06 138.95,57.54 138.93,57.17 139.1,56.15 139.23,55.28 139.32,54.4 139.39,53.93 139.68,52.9 139.89,51.58 140.09,50.78 140.22,49.95 140.49,48.96 R78.1 ; 156.26,201.47 v1(156.23,201.47) 156.17,199.19 156.08,198.07 155.99,197.31 155.77,196.59 155.78,196.56 UN1.13 155.83,194.34 155.9,192.49 155.93,188.97 UN1.4
  Bottom w0.15: UT1.8 163.49,116.75 163.54,117.99 162.01,118.5 161.09,118.89 158.46,119.26 156.5,119.46 146.96,119.63 145.67,119.44 144.54,118.99 142.87,117.98 142.3,117.62 141.69,117.06 140.06,115.66 v1(139.61,115.66) ; v1(142.41,195.46) 143.74,196.61 145.9,197.64 149.04,199.3 151.17,200.24 153.47,200.82 v1(156.23,201.47)
N1p9: length 43.9
  Bottom w0.15: UN1.9 166.65,197.19 168.34,199.21 168.74,199.7 169,200.16 172.98,204.93 174.52,206.86 175.88,208.26 177.17,209.37 179.03,210.15 181.08,210.36 182.53,210.25 185.89,209.41 187.2,208.9 192.89,208.81 194.35,208.75 197.09,208.73 198.91,209.15 199.5,209.65 200.92,210.77 UM2.11
N1p10: length 44.4
  Bottom w0.15: 176.62,210.58 178.09,211.43 179.94,211.89 181.14,212 182.66,211.92 183.91,211.4 184.87,211.17 185.8,210.69 187.92,210.2 189.45,210.12 193.51,209.94 195.32,209.97 197.43,210.03 198.01,210.43 198.52,210.84 UM2.12 ; 176.62,210.58 175.73,209.94 175.38,209.65 174.92,209.1 174.45,208.62 174,208.09 173.28,207.38 172.67,206.54 171.02,204.84 169.91,203.53 166.18,199.73 165.58,199.14 164.84,198.41 164.16,197.79 UN1.10 ; 176.62,210.58 176.49,210.5
N1p15: length 52.8
  Bottom w0.15: UN1.15 151.51,197.34 153.85,198.27 156.37,198.29 160.24,198.26 163.51,199.66 166.75,202.2 167.92,203.01 169.85,205.27 170.45,206.08 173.54,209.6 174.61,210.88 176.15,212.36 178.39,213.89 181.26,214.43 183.27,214.42 192.23,214.31 193.01,214.1 193.8,213.77 193.8,213.2 UM2.14
N1p16: length 58.1
  Bottom w0.15: UM2.13 196.29,212.89 196.36,213.24 195.55,214.24 194.32,215.19 193.1,215.4 185.43,215.56 179.66,215.48 177.95,214.94 175.85,213.85 172.24,210.13 171.15,208.73 168.83,206.11 167.96,205.31 167.4,204.55 165.25,202.48 163.49,201.27 160.53,199.74 153.08,199.26 151.58,198.69 150.37,198 149.64,197.42 UN1.16
N2p9: length 51.4
  Top w0.15: 205.08,151.42 205.04,151.45 ; 205.04,151.45 205.04,148.3 204.72,147.65 204.37,146.61 203.79,145.34 UR2.7 ; 205.04,151.45 205.04,160.1 205.11,160.17 205.11,166.27 205.08,166.3 205.08,176.73 205.18,187.68 205.18,192.24 205.9,194.25 UN2.9
N2p10: length 52.6
  Top w0.15: UN2.10 203.35,194.62 202.91,193.09 202.61,191.89 202.49,189.9 202.51,189.8 202.58,183.64 202.7,183.53 202.63,183.46 202.56,178.48 201.68,176.81 201.05,175.51 199.99,173.47 200.01,171.55 199.85,170.79 199.9,170.74 199.9,163.16 199.85,163.12 199.94,163.02 200.13,160.43 201.12,158.21 201.86,156.52 202.49,154.15 202.49,149.2 202.35,148.22 202.1,147.2 201.72,146.12 201.25,145.43 UR2.6
N2p15: length 52.2
  Top w0.15: UN2.15 191.91,194.23 192.42,190.9 192.53,190.33 192.56,185.94 192.31,184.82 192.07,183.36 190.72,179.93 189.67,175.5 189.24,173.11 189.22,168.36 189.33,162.37 190.31,160.1 190.79,158.83 191.69,157.19 192.39,154.42 192.51,153.34 192.58,150.81 192.6,150.57 192.79,147.63 193.35,146.33 193.51,144.74 UR2.3
N2p16: length 51.9
  Top w0.15: UN2.16 189.13,194.51 189.92,192.49 190.23,188.96 190.18,188.91 190.18,186 190.23,185.95 190.1,184.61 190.02,183.52 189.21,181.21 188.53,179.04 188.27,174.01 188.22,172.47 188.22,167.78 188.29,167.71 188.19,167.6 188.24,159.85 189.11,157.31 189.65,156.14 190,155.06 189.97,152.6 190,151.03 190,147.76 190.65,146.01 UR2.2
N3p2: length 172.4
  Top w0.15: v1(250.14,187.11) 250.47,185.42 250.25,182.56 251.31,173.89 251.42,171.78 251.08,167.71 249.91,164.85 249.12,160.97 249.35,141.99 249.24,132.95 249.24,126.87 v1(249.18,122.92) ; 266.49,123.7 266.43,123.64 v1(266.43,123.74) 266.52,124.02 267.29,124.94 267.99,125.87 268.9,126.9 US4.4 US4.13 268.76,135.56 UR4.4 268.82,146.83 268.69,149.89 268.76,150.96 UR4.13
  Bottom w0.15: 264.63,123.72 264.64,123.74 v1(266.43,123.74) ; 264.63,123.72 264.88,123.72 ; 264.63,123.72 263.61,123.65 262.43,123.65 261.02,123.64 259.8,123.58 249.41,123.93 249.18,123.7 v1(249.18,122.92) 248.78,122.92 247.82,123.97 243.96,124.03 242.13,124.08 232.91,124.23 231.62,124.31 229.7,124.26 228.47,123.9 222.64,120.38 220.22,118.71 212.11,114.23 ; UN3.2 232.31,186.47 232.73,186.12 233.19,185.87 233.99,185.64 235.34,185.43 237.57,185.36 238.04,185.36 239.67,185.41 243.64,185.44 244.06,185.45 244.84,185.5 246.48,185.95 247.77,186.27 248.67,186.53 v1(250.14,187.11)
N4p9: length 15.3
  Bottom w0.15: UN4.9 280.04,195.86 280.78,195.81 282.67,195.58 283.91,195.26 285.34,194.61 287.19,193.45 288.15,192.73 291.39,190.86 292.89,190.41
N4p10: length 18.3
  Bottom w0.15: 292.86,188.1 292.77,188.1 291.73,188.84 291.03,189.17 290.09,189.83 287.28,192.04 286.06,192.65 284.83,193.24 282.8,193.5 281.34,193.62 279.28,193.85 278.65,194.05 277.75,194.67 UN4.10
N4p13: length 165.1
  Top w0.15: 253.02,46.3 v1(252.9,46.4) 252.88,46.87 252.44,48.35 251.34,52.58 251.22,53.63 250.83,56.61 250.15,59.48 249.93,61.67 249.71,63.05 249.72,64.98 249.65,66.98 249.83,68.03 249.99,78.9 250.03,78.94 250.03,88.07 250.16,91.33 250.41,100.43 250.39,100.45 250.46,110.21 250.62,116.82 251.01,122.15 251.13,123.28 251.22,124.84 251.17,127.06 250.76,130.09 250.64,131.61 250.58,132.85 250.52,135.29 250.51,139.42 250.49,144.31 250.22,154.81 250.11,160.81 250.49,162.17 250.89,163.61 251.76,166.15 252,168 252.24,169.57 252.27,174.11 252.29,178.03 252.24,180.32 v1(252,183.79) ; UN4.4 269.1,187.79 269.2,192.5 ; 269.22,192.33 UN4.13
  Bottom w0.15: UN4.4 268.69,186.32 268.02,185.68 266.65,184.85 265.66,184.51 257.91,184.28 256.4,184.27 253.99,184.36 252.4,184.41 252,183.85 v1(252,183.79)
